# Altium PCB top_INA_v3.PcbDoc (part 1 of 5) (continued)
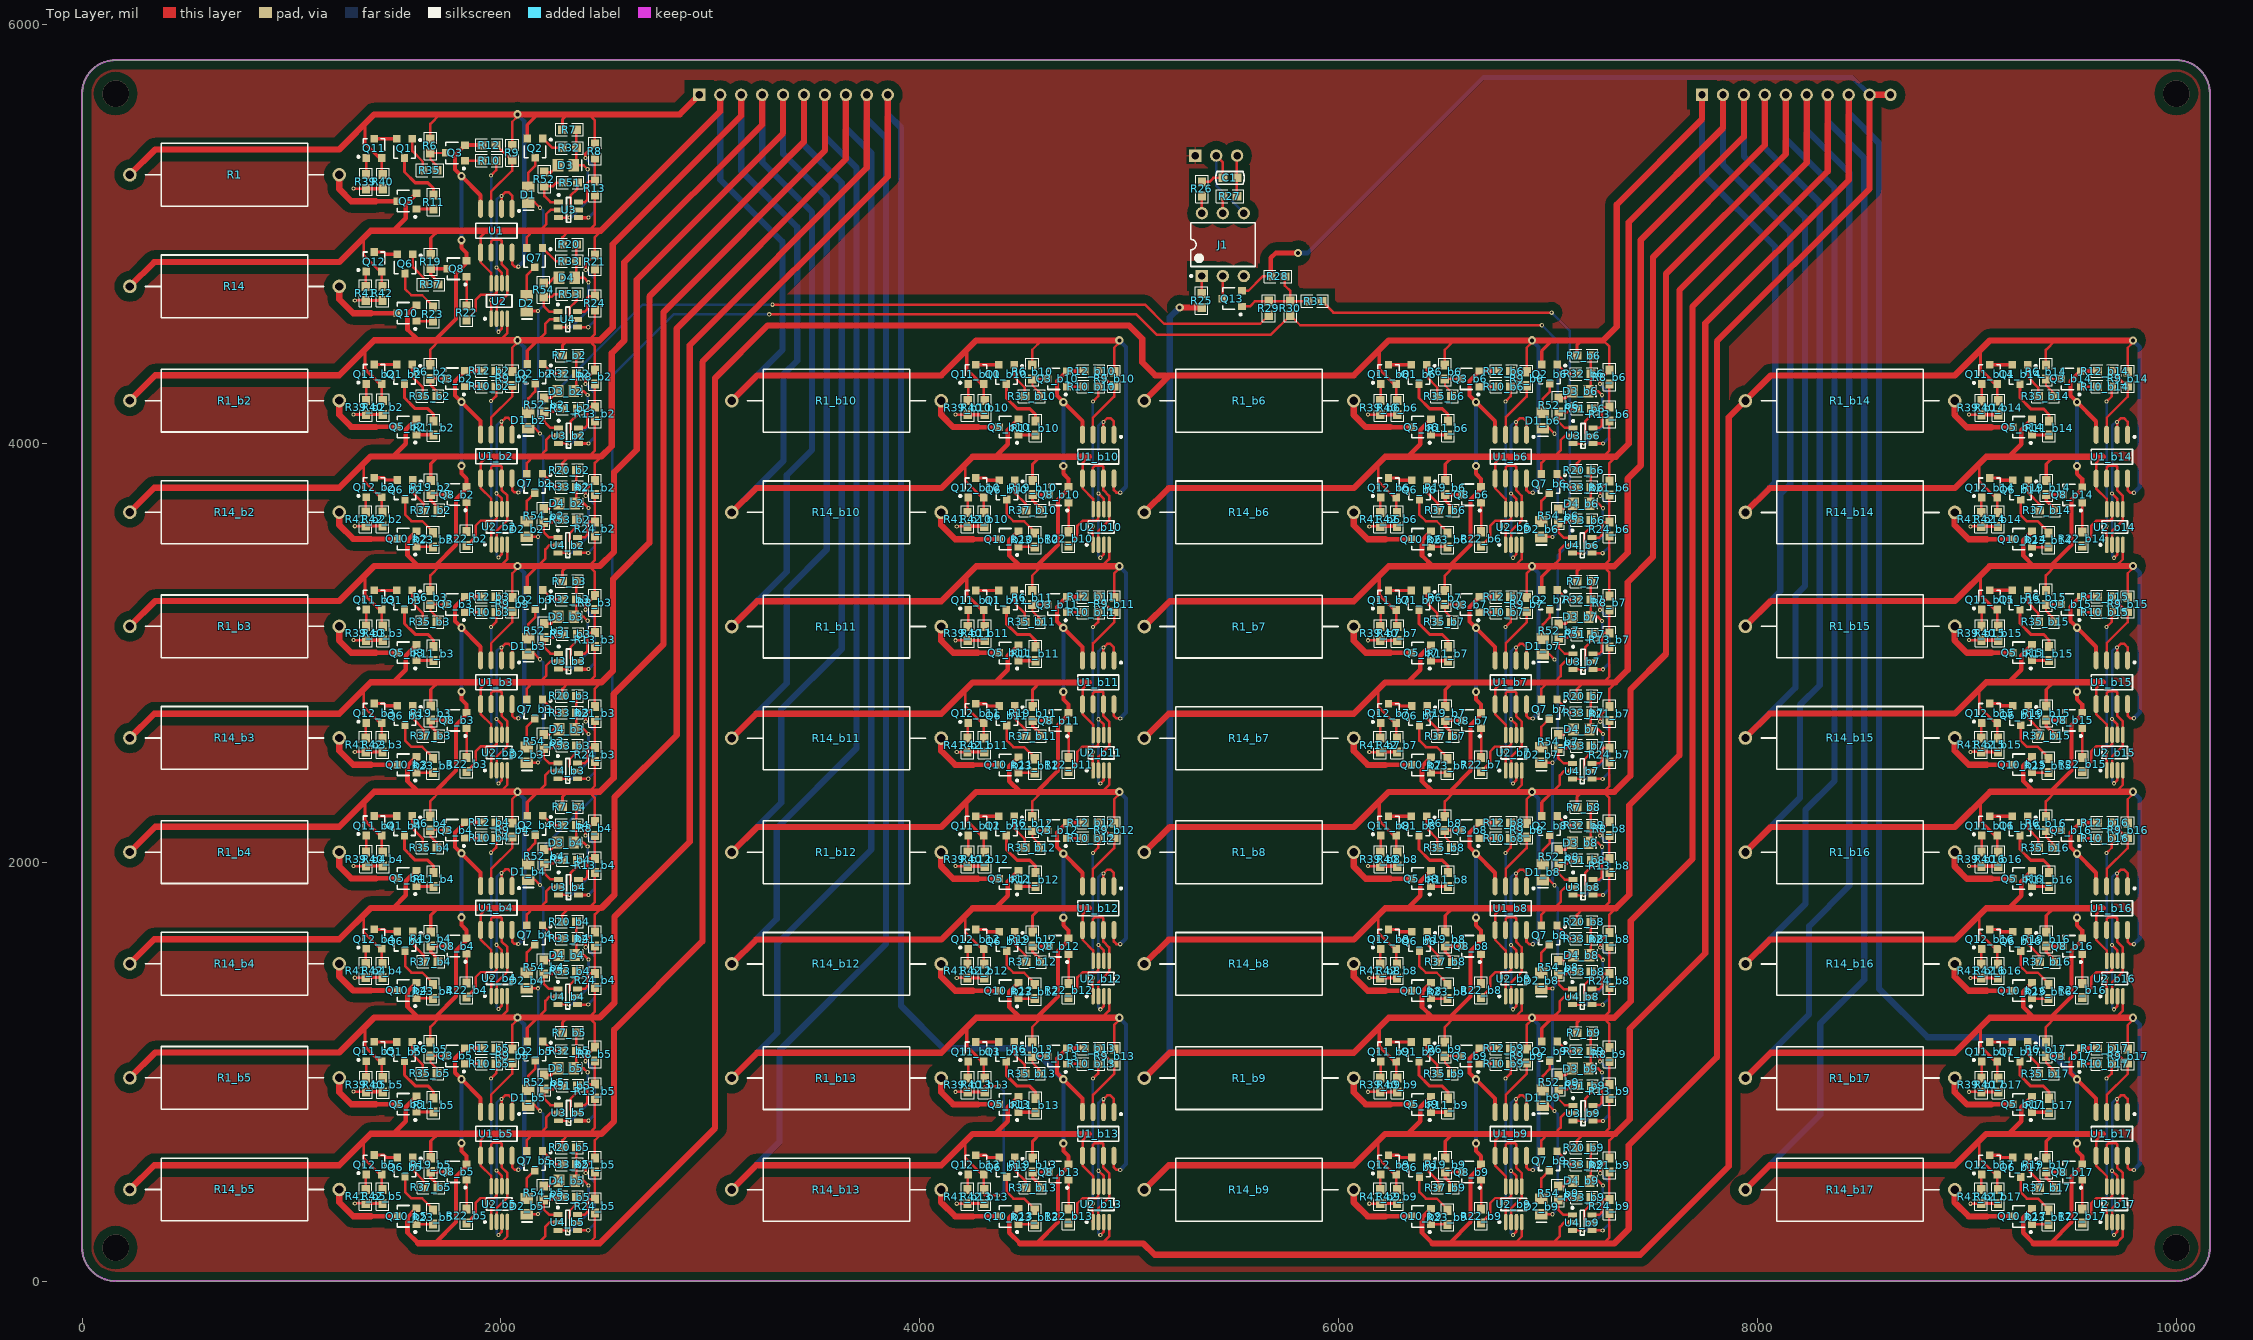
[diagram p0: Top Layer view]
## Components (designator, comment, footprint, x,y, rotation, side; value= is the part's Value field where it differs from the comment) (continued)
Q5_b7 "MOSFET-N" SOT23-3 6394.86,2999.61 r90 top (schematic designator Q5)
Q5_b8 "MOSFET-N" SOT23-3 6394.86,1921.61 r90 top (schematic designator Q5)
Q5_b9 "MOSFET-N" SOT23-3 6394.86,843.61 r90 top (schematic designator Q5)
Q5_b10 "MOSFET-N" SOT23-3 4424.86,4077.61 r90 top (schematic designator Q5)
Q5_b11 "MOSFET-N" SOT23-3 4424.86,2999.61 r90 top (schematic designator Q5)
Q5_b12 "MOSFET-N" SOT23-3 4424.86,1921.61 r90 top (schematic designator Q5)
Q5_b13 "MOSFET-N" SOT23-3 4424.86,843.61 r90 top (schematic designator Q5)
Q5_b14 "MOSFET-N" SOT23-3 9264.86,4077.35 r90 top (schematic designator Q5)
Q5_b15 "MOSFET-N" SOT23-3 9264.86,3000.61 r90 top (schematic designator Q5)
Q5_b16 "MOSFET-N" SOT23-3 9264.86,1921.61 r90 top (schematic designator Q5)
Q5_b17 "MOSFET-N" SOT23-3 9264.86,843.61 r90 top (schematic designator Q5)
Q6 "MMBT3906" SOT23-3 1541.86,4856.61 r180 top
Q6_b2 "MMBT3906" SOT23-3 1541.87,3778.54 r180 top (schematic designator Q6)
Q6_b3 "MMBT3906" SOT23-3 1541.87,2700.54 r180 top (schematic designator Q6)
Q6_b4 "MMBT3906" SOT23-3 1541.87,1622.54 r180 top (schematic designator Q6)
Q6_b5 "MMBT3906" SOT23-3 1541.87,544.54 r180 top (schematic designator Q6)
Q6_b6 "MMBT3906" SOT23-3 6385.86,3777.61 r180 top (schematic designator Q6)
Q6_b7 "MMBT3906" SOT23-3 6385.86,2699.61 r180 top (schematic designator Q6)
Q6_b8 "MMBT3906" SOT23-3 6385.86,1621.61 r180 top (schematic designator Q6)
Q6_b9 "MMBT3906" SOT23-3 6385.86,543.61 r180 top (schematic designator Q6)
Q6_b10 "MMBT3906" SOT23-3 4415.86,3777.61 r180 top (schematic designator Q6)
Q6_b11 "MMBT3906" SOT23-3 4415.86,2699.61 r180 top (schematic designator Q6)
Q6_b12 "MMBT3906" SOT23-3 4415.86,1621.61 r180 top (schematic designator Q6)
Q6_b13 "MMBT3906" SOT23-3 4415.86,543.61 r180 top (schematic designator Q6)
Q6_b14 "MMBT3906" SOT23-3 9255.86,3777.35 r180 top (schematic designator Q6)
Q6_b15 "MMBT3906" SOT23-3 9255.86,2700.61 r180 top (schematic designator Q6)
Q6_b16 "MMBT3906" SOT23-3 9255.86,1621.61 r180 top (schematic designator Q6)
Q6_b17 "MMBT3906" SOT23-3 9255.86,543.61 r180 top (schematic designator Q6)
Q7 "MMBT5400" SOT23-3 2161,4887 r180 top
Q7_b2 "MMBT5400" SOT23-3 2161.01,3808.93 r180 top (schematic designator Q7)
Q7_b3 "MMBT5400" SOT23-3 2161.01,2730.93 r180 top (schematic designator Q7)
Q7_b4 "MMBT5400" SOT23-3 2161.01,1652.93 r180 top (schematic designator Q7)
Q7_b5 "MMBT5400" SOT23-3 2161.01,574.93 r180 top (schematic designator Q7)
Q7_b6 "MMBT5400" SOT23-3 7005,3808 r180 top (schematic designator Q7)
Q7_b7 "MMBT5400" SOT23-3 7005,2730 r180 top (schematic designator Q7)
Q7_b8 "MMBT5400" SOT23-3 7005,1652 r180 top (schematic designator Q7)
Q7_b9 "MMBT5400" SOT23-3 7005,574 r180 top (schematic designator Q7)
Q8 "MMBT3904" SOT23-3 1789.86,4833.61 r90 top
Q8_b2 "MMBT3904" SOT23-3 1789.87,3755.54 r90 top (schematic designator Q8)
Q8_b3 "MMBT3904" SOT23-3 1789.87,2677.54 r90 top (schematic designator Q8)
Q8_b4 "MMBT3904" SOT23-3 1789.87,1599.54 r90 top (schematic designator Q8)
Q8_b5 "MMBT3904" SOT23-3 1789.87,521.54 r90 top (schematic designator Q8)
Q8_b6 "MMBT3904" SOT23-3 6633.86,3754.61 r90 top (schematic designator Q8)
Q8_b7 "MMBT3904" SOT23-3 6633.86,2676.61 r90 top (schematic designator Q8)
Q8_b8 "MMBT3904" SOT23-3 6633.86,1598.61 r90 top (schematic designator Q8)
Q8_b9 "MMBT3904" SOT23-3 6633.86,520.61 r90 top (schematic designator Q8)
Q8_b10 "MMBT3904" SOT23-3 4663.86,3754.61 r90 top (schematic designator Q8)
Q8_b11 "MMBT3904" SOT23-3 4663.86,2676.61 r90 top (schematic designator Q8)
Q8_b12 "MMBT3904" SOT23-3 4663.86,1598.61 r90 top (schematic designator Q8)
Q8_b13 "MMBT3904" SOT23-3 4663.86,520.61 r90 top (schematic designator Q8)
Q8_b14 "MMBT3904" SOT23-3 9503.86,3754.35 r90 top (schematic designator Q8)
Q8_b15 "MMBT3904" SOT23-3 9503.86,2677.61 r90 top (schematic designator Q8)
Q8_b16 "MMBT3904" SOT23-3 9503.86,1598.61 r90 top (schematic designator Q8)
Q8_b17 "MMBT3904" SOT23-3 9503.86,520.61 r90 top (schematic designator Q8)
Q10 "MOSFET-N" SOT23-3 1550.86,4621.61 r90 top
Q10_b2 "MOSFET-N" SOT23-3 1550.87,3543.54 r90 top (schematic designator Q10)
Q10_b3 "MOSFET-N" SOT23-3 1550.87,2465.54 r90 top (schematic designator Q10)
Q10_b4 "MOSFET-N" SOT23-3 1550.87,1387.54 r90 top (schematic designator Q10)
Q10_b5 "MOSFET-N" SOT23-3 1550.87,309.54 r90 top (schematic designator Q10)
Q10_b6 "MOSFET-N" SOT23-3 6394.86,3542.61 r90 top (schematic designator Q10)
Q10_b7 "MOSFET-N" SOT23-3 6394.86,2464.61 r90 top (schematic designator Q10)
Q10_b8 "MOSFET-N" SOT23-3 6394.86,1386.61 r90 top (schematic designator Q10)
Q10_b9 "MOSFET-N" SOT23-3 6394.86,308.61 r90 top (schematic designator Q10)
Q10_b10 "MOSFET-N" SOT23-3 4424.86,3542.61 r90 top (schematic designator Q10)
Q10_b11 "MOSFET-N" SOT23-3 4424.86,2464.61 r90 top (schematic designator Q10)
Q10_b12 "MOSFET-N" SOT23-3 4424.86,1386.61 r90 top (schematic designator Q10)
Q10_b13 "MOSFET-N" SOT23-3 4424.86,308.61 r90 top (schematic designator Q10)
Q10_b14 "MOSFET-N" SOT23-3 9264.86,3542.35 r90 top (schematic designator Q10)
Q10_b15 "MOSFET-N" SOT23-3 9264.86,2465.61 r90 top (schematic designator Q10)
Q10_b16 "MOSFET-N" SOT23-3 9264.86,1386.61 r90 top (schematic designator Q10)
Q10_b17 "MOSFET-N" SOT23-3 9264.86,308.61 r90 top (schematic designator Q10)
Q11 "MMBT3906" SOT23-3 1393.99,5408.33 r0 top
Q11_b2 "MMBT3906" SOT23-3 1394,4330.26 r0 top (schematic designator Q11)
Q11_b3 "MMBT3906" SOT23-3 1394,3252.26 r0 top (schematic designator Q11)
Q11_b4 "MMBT3906" SOT23-3 1394,2174.26 r0 top (schematic designator Q11)
Q11_b5 "MMBT3906" SOT23-3 1394,1096.26 r0 top (schematic designator Q11)
Q11_b6 "MMBT3906" SOT23-3 6237.99,4329.33 r0 top (schematic designator Q11)
Q11_b7 "MMBT3906" SOT23-3 6237.99,3251.33 r0 top (schematic designator Q11)
Q11_b8 "MMBT3906" SOT23-3 6237.99,2173.33 r0 top (schematic designator Q11)
Q11_b9 "MMBT3906" SOT23-3 6237.99,1095.33 r0 top (schematic designator Q11)
Q11_b10 "MMBT3906" SOT23-3 4267.99,4329.33 r0 top (schematic designator Q11)
Q11_b11 "MMBT3906" SOT23-3 4267.99,3251.33 r0 top (schematic designator Q11)
Q11_b12 "MMBT3906" SOT23-3 4267.99,2173.33 r0 top (schematic designator Q11)
Q11_b13 "MMBT3906" SOT23-3 4267.99,1095.33 r0 top (schematic designator Q11)
Q11_b14 "MMBT3906" SOT23-3 9107.99,4329.07 r0 top (schematic designator Q11)
Q11_b15 "MMBT3906" SOT23-3 9107.99,3252.33 r0 top (schematic designator Q11)
Q11_b16 "MMBT3906" SOT23-3 9107.99,2173.33 r0 top (schematic designator Q11)
Q11_b17 "MMBT3906" SOT23-3 9107.99,1095.33 r0 top (schematic designator Q11)
Q12 "MMBT3906" SOT23-3 1393.99,4867.33 r0 top
Q12_b2 "MMBT3906" SOT23-3 1394,3789.26 r0 top (schematic designator Q12)
Q12_b3 "MMBT3906" SOT23-3 1394,2711.26 r0 top (schematic designator Q12)
Q12_b4 "MMBT3906" SOT23-3 1394,1633.26 r0 top (schematic designator Q12)
Q12_b5 "MMBT3906" SOT23-3 1394,555.26 r0 top (schematic designator Q12)
Q12_b6 "MMBT3906" SOT23-3 6237.99,3788.33 r0 top (schematic designator Q12)
Q12_b7 "MMBT3906" SOT23-3 6237.99,2710.33 r0 top (schematic designator Q12)
Q12_b8 "MMBT3906" SOT23-3 6237.99,1632.33 r0 top (schematic designator Q12)
Q12_b9 "MMBT3906" SOT23-3 6237.99,554.33 r0 top (schematic designator Q12)
Q12_b10 "MMBT3906" SOT23-3 4267.99,3788.33 r0 top (schematic designator Q12)
Q12_b11 "MMBT3906" SOT23-3 4267.99,2710.33 r0 top (schematic designator Q12)
Q12_b12 "MMBT3906" SOT23-3 4267.99,1632.33 r0 top (schematic designator Q12)
Q12_b13 "MMBT3906" SOT23-3 4267.99,554.33 r0 top (schematic designator Q12)
Q12_b14 "MMBT3906" SOT23-3 9107.99,3788.07 r0 top (schematic designator Q12)
Q12_b15 "MMBT3906" SOT23-3 9107.99,2711.33 r0 top (schematic designator Q12)
Q12_b16 "MMBT3906" SOT23-3 9107.99,1632.33 r0 top (schematic designator Q12)
Q12_b17 "MMBT3906" SOT23-3 9107.99,554.33 r0 top (schematic designator Q12)
Q13 "NPN" SOT23-3 5491.99,4691.07 r90 top
R1 "Res1" AXIAL-1.0 727.99,5282.33 r180 top
R1_b2 "Res1" AXIAL-1.0 728,4204.26 r180 top (schematic designator R1)
R1_b3 "Res1" AXIAL-1.0 728,3126.26 r180 top (schematic designator R1)
R1_b4 "Res1" AXIAL-1.0 728,2048.26 r180 top (schematic designator R1)
R1_b5 "Res1" AXIAL-1.0 728,970.26 r180 top (schematic designator R1)
R1_b6 "Res1" AXIAL-1.0 5571.99,4203.33 r180 top (schematic designator R1)
R1_b7 "Res1" AXIAL-1.0 5571.99,3125.33 r180 top (schematic designator R1)
R1_b8 "Res1" AXIAL-1.0 5571.99,2047.33 r180 top (schematic designator R1)
R1_b9 "Res1" AXIAL-1.0 5571.99,969.33 r180 top (schematic designator R1)
R1_b10 "Res1" AXIAL-1.0 3601.99,4203.33 r180 top (schematic designator R1)
R1_b11 "Res1" AXIAL-1.0 3601.99,3125.33 r180 top (schematic designator R1)
R1_b12 "Res1" AXIAL-1.0 3601.99,2047.33 r180 top (schematic designator R1)
R1_b13 "Res1" AXIAL-1.0 3601.99,969.33 r180 top (schematic designator R1)
R1_b14 "Res1" AXIAL-1.0 8441.99,4203.07 r180 top (schematic designator R1)
R1_b15 "Res1" AXIAL-1.0 8441.99,3126.33 r180 top (schematic designator R1)
R1_b16 "Res1" AXIAL-1.0 8441.99,2047.33 r180 top (schematic designator R1)
R1_b17 "Res1" AXIAL-1.0 8441.99,969.33 r180 top (schematic designator R1)
R6 "Res1" 0603-1 1662.86,5420.07 r90 top
R6_b2 "Res1" 0603-1 1662.87,4342 r90 top (schematic designator R6)
R6_b3 "Res1" 0603-1 1662.87,3264 r90 top (schematic designator R6)
R6_b4 "Res1" 0603-1 1662.87,2186 r90 top (schematic designator R6)
R6_b5 "Res1" 0603-1 1662.87,1108 r90 top (schematic designator R6)
R6_b6 "Res1" 0603-1 6506.86,4341.07 r90 top (schematic designator R6)
R6_b7 "Res1" 0603-1 6506.86,3263.07 r90 top (schematic designator R6)
R6_b8 "Res1" 0603-1 6506.86,2185.07 r90 top (schematic designator R6)
R6_b9 "Res1" 0603-1 6506.86,1107.07 r90 top (schematic designator R6)
R6_b10 "Res1" 0603-1 4536.86,4341.07 r90 top (schematic designator R6)
R6_b11 "Res1" 0603-1 4536.86,3263.07 r90 top (schematic designator R6)
R6_b12 "Res1" 0603-1 4536.86,2185.07 r90 top (schematic designator R6)
R6_b13 "Res1" 0603-1 4536.86,1107.07 r90 top (schematic designator R6)
R6_b14 "Res1" 0603-1 9376.86,4340.81 r90 top (schematic designator R6)
R6_b15 "Res1" 0603-1 9376.86,3264.07 r90 top (schematic designator R6)
R6_b16 "Res1" 0603-1 9376.86,2185.07 r90 top (schematic designator R6)
R6_b17 "Res1" 0603-1 9376.86,1107.07 r90 top (schematic designator R6)
R7 "Res1" 0603-1 2327,5498 r180 top
R7_b2 "Res1" 0603-1 2327.01,4419.93 r180 top (schematic designator R7)
R7_b3 "Res1" 0603-1 2327.01,3341.93 r180 top (schematic designator R7)
R7_b4 "Res1" 0603-1 2327.01,2263.93 r180 top (schematic designator R7)
R7_b5 "Res1" 0603-1 2327.01,1185.93 r180 top (schematic designator R7)
R7_b6 "Res1" 0603-1 7171,4419 r180 top (schematic designator R7)
R7_b7 "Res1" 0603-1 7171,3341 r180 top (schematic designator R7)
R7_b8 "Res1" 0603-1 7171,2263 r180 top (schematic designator R7)
R7_b9 "Res1" 0603-1 7171,1185 r180 top (schematic designator R7)
R8 "Res1" 0603-1 2448.86,5395.61 r90 top
R8_b2 "Res1" 0603-1 2448.87,4317.54 r90 top (schematic designator R8)
R8_b3 "Res1" 0603-1 2448.87,3239.54 r90 top (schematic designator R8)
R8_b4 "Res1" 0603-1 2448.87,2161.54 r90 top (schematic designator R8)
R8_b5 "Res1" 0603-1 2448.87,1083.54 r90 top (schematic designator R8)
R8_b6 "Res1" 0603-1 7292.86,4316.61 r90 top (schematic designator R8)
R8_b7 "Res1" 0603-1 7292.86,3238.61 r90 top (schematic designator R8)
R8_b8 "Res1" 0603-1 7292.86,2160.61 r90 top (schematic designator R8)
R8_b9 "Res1" 0603-1 7292.86,1082.61 r90 top (schematic designator R8)
R9 "Res1" 0603-1 2053.86,5387.61 r90 top
R9_b2 "Res1" 0603-1 2053.87,4309.54 r90 top (schematic designator R9)
R9_b3 "Res1" 0603-1 2053.87,3231.54 r90 top (schematic designator R9)
R9_b4 "Res1" 0603-1 2053.87,2153.54 r90 top (schematic designator R9)
R9_b5 "Res1" 0603-1 2053.87,1075.54 r90 top (schematic designator R9)
R9_b6 "Res1" 0603-1 6897.86,4308.61 r90 top (schematic designator R9)
R9_b7 "Res1" 0603-1 6897.86,3230.61 r90 top (schematic designator R9)
R9_b8 "Res1" 0603-1 6897.86,2152.61 r90 top (schematic designator R9)
R9_b9 "Res1" 0603-1 6897.86,1074.61 r90 top (schematic designator R9)
R9_b10 "Res1" 0603-1 4927.86,4308.61 r90 top (schematic designator R9)
R9_b11 "Res1" 0603-1 4927.86,3230.61 r90 top (schematic designator R9)
R9_b12 "Res1" 0603-1 4927.86,2152.61 r90 top (schematic designator R9)
R9_b13 "Res1" 0603-1 4927.86,1074.61 r90 top (schematic designator R9)
R9_b14 "Res1" 0603-1 9767.86,4308.35 r90 top (schematic designator R9)
R9_b15 "Res1" 0603-1 9767.86,3231.61 r90 top (schematic designator R9)
R9_b16 "Res1" 0603-1 9767.86,2152.61 r90 top (schematic designator R9)
R9_b17 "Res1" 0603-1 9767.86,1074.61 r90 top (schematic designator R9)
R10 "Res1" 0603-1 1943.72,5350.01 r0 top
R10_b2 "Res1" 0603-1 1943.73,4271.94 r0 top (schematic designator R10)
R10_b3 "Res1" 0603-1 1943.73,3193.94 r0 top (schematic designator R10)
R10_b4 "Res1" 0603-1 1943.73,2115.94 r0 top (schematic designator R10)
R10_b5 "Res1" 0603-1 1943.73,1037.94 r0 top (schematic designator R10)
R10_b6 "Res1" 0603-1 6787.72,4271.01 r0 top (schematic designator R10)
R10_b7 "Res1" 0603-1 6787.72,3193.01 r0 top (schematic designator R10)
R10_b8 "Res1" 0603-1 6787.72,2115.01 r0 top (schematic designator R10)
R10_b9 "Res1" 0603-1 6787.72,1037.01 r0 top (schematic designator R10)
R10_b10 "Res1" 0603-1 4817.72,4271.01 r0 top (schematic designator R10)
R10_b11 "Res1" 0603-1 4817.72,3193.01 r0 top (schematic designator R10)
R10_b12 "Res1" 0603-1 4817.72,2115.01 r0 top (schematic designator R10)
R10_b13 "Res1" 0603-1 4817.72,1037.01 r0 top (schematic designator R10)
R10_b14 "Res1" 0603-1 9657.72,4270.75 r0 top (schematic designator R10)
R10_b15 "Res1" 0603-1 9657.72,3194.01 r0 top (schematic designator R10)
R10_b16 "Res1" 0603-1 9657.72,2115.01 r0 top (schematic designator R10)
R10_b17 "Res1" 0603-1 9657.72,1037.01 r0 top (schematic designator R10)
R11 "Res1" 0603-1 1677.99,5152.33 r90 top
R11_b2 "Res1" 0603-1 1678,4074.26 r90 top (schematic designator R11)
R11_b3 "Res1" 0603-1 1678,2996.26 r90 top (schematic designator R11)
R11_b4 "Res1" 0603-1 1678,1918.26 r90 top (schematic designator R11)
R11_b5 "Res1" 0603-1 1678,840.26 r90 top (schematic designator R11)
R11_b6 "Res1" 0603-1 6521.99,4073.33 r90 top (schematic designator R11)
R11_b7 "Res1" 0603-1 6521.99,2995.33 r90 top (schematic designator R11)
R11_b8 "Res1" 0603-1 6521.99,1917.33 r90 top (schematic designator R11)
R11_b9 "Res1" 0603-1 6521.99,839.33 r90 top (schematic designator R11)
R11_b10 "Res1" 0603-1 4551.99,4073.33 r90 top (schematic designator R11)
R11_b11 "Res1" 0603-1 4551.99,2995.33 r90 top (schematic designator R11)
R11_b12 "Res1" 0603-1 4551.99,1917.33 r90 top (schematic designator R11)
R11_b13 "Res1" 0603-1 4551.99,839.33 r90 top (schematic designator R11)
R11_b14 "Res1" 0603-1 9391.99,4073.07 r90 top (schematic designator R11)
R11_b15 "Res1" 0603-1 9391.99,2996.33 r90 top (schematic designator R11)
R11_b16 "Res1" 0603-1 9391.99,1917.33 r90 top (schematic designator R11)
R11_b17 "Res1" 0603-1 9391.99,839.33 r90 top (schematic designator R11)
R12 "Res1" 0603-1 1943.72,5424.01 r0 top
R12_b2 "Res1" 0603-1 1943.73,4345.94 r0 top (schematic designator R12)
R12_b3 "Res1" 0603-1 1943.73,3267.94 r0 top (schematic designator R12)
R12_b4 "Res1" 0603-1 1943.73,2189.94 r0 top (schematic designator R12)
R12_b5 "Res1" 0603-1 1943.73,1111.94 r0 top (schematic designator R12)
R12_b6 "Res1" 0603-1 6787.72,4345.01 r0 top (schematic designator R12)
R12_b7 "Res1" 0603-1 6787.72,3267.01 r0 top (schematic designator R12)
R12_b8 "Res1" 0603-1 6787.72,2189.01 r0 top (schematic designator R12)
R12_b9 "Res1" 0603-1 6787.72,1111.01 r0 top (schematic designator R12)
R12_b10 "Res1" 0603-1 4817.72,4345.01 r0 top (schematic designator R12)
R12_b11 "Res1" 0603-1 4817.72,3267.01 r0 top (schematic designator R12)
R12_b12 "Res1" 0603-1 4817.72,2189.01 r0 top (schematic designator R12)
R12_b13 "Res1" 0603-1 4817.72,1111.01 r0 top (schematic designator R12)
R12_b14 "Res1" 0603-1 9657.72,4344.75 r0 top (schematic designator R12)
R12_b15 "Res1" 0603-1 9657.72,3268.01 r0 top (schematic designator R12)
R12_b16 "Res1" 0603-1 9657.72,2189.01 r0 top (schematic designator R12)
R12_b17 "Res1" 0603-1 9657.72,1111.01 r0 top (schematic designator R12)
R13 "Res1" 0603-1 2448.86,5218.61 r90 top
R13_b2 "Res1" 0603-1 2448.87,4140.54 r90 top (schematic designator R13)
R13_b3 "Res1" 0603-1 2448.87,3062.54 r90 top (schematic designator R13)
R13_b4 "Res1" 0603-1 2448.87,1984.54 r90 top (schematic designator R13)
R13_b5 "Res1" 0603-1 2448.87,906.54 r90 top (schematic designator R13)
R13_b6 "Res1" 0603-1 7292.86,4139.61 r90 top (schematic designator R13)
R13_b7 "Res1" 0603-1 7292.86,3061.61 r90 top (schematic designator R13)
R13_b8 "Res1" 0603-1 7292.86,1983.61 r90 top (schematic designator R13)
R13_b9 "Res1" 0603-1 7292.86,905.61 r90 top (schematic designator R13)
R14 "Res1" AXIAL-1.0 727.99,4749.33 r180 top
R14_b2 "Res1" AXIAL-1.0 728,3671.26 r180 top (schematic designator R14)
R14_b3 "Res1" AXIAL-1.0 728,2593.26 r180 top (schematic designator R14)
R14_b4 "Res1" AXIAL-1.0 728,1515.26 r180 top (schematic designator R14)
R14_b5 "Res1" AXIAL-1.0 728,437.26 r180 top (schematic designator R14)
R14_b6 "Res1" AXIAL-1.0 5571.99,3670.33 r180 top (schematic designator R14)
R14_b7 "Res1" AXIAL-1.0 5571.99,2592.33 r180 top (schematic designator R14)
R14_b8 "Res1" AXIAL-1.0 5571.99,1514.33 r180 top (schematic designator R14)
R14_b9 "Res1" AXIAL-1.0 5571.99,436.33 r180 top (schematic designator R14)
R14_b10 "Res1" AXIAL-1.0 3601.99,3670.33 r180 top (schematic designator R14)
R14_b11 "Res1" AXIAL-1.0 3601.99,2592.33 r180 top (schematic designator R14)
R14_b12 "Res1" AXIAL-1.0 3601.99,1514.33 r180 top (schematic designator R14)
R14_b13 "Res1" AXIAL-1.0 3601.99,436.33 r180 top (schematic designator R14)
R14_b14 "Res1" AXIAL-1.0 8441.99,3670.07 r180 top (schematic designator R14)
R14_b15 "Res1" AXIAL-1.0 8441.99,2593.33 r180 top (schematic designator R14)
R14_b16 "Res1" AXIAL-1.0 8441.99,1514.33 r180 top (schematic designator R14)
R14_b17 "Res1" AXIAL-1.0 8441.99,436.33 r180 top (schematic designator R14)
R19 "Res1" 0603-1 1664.86,4867.61 r90 top
R19_b2 "Res1" 0603-1 1664.87,3789.54 r90 top (schematic designator R19)
R19_b3 "Res1" 0603-1 1664.87,2711.54 r90 top (schematic designator R19)
R19_b4 "Res1" 0603-1 1664.87,1633.54 r90 top (schematic designator R19)
R19_b5 "Res1" 0603-1 1664.87,555.54 r90 top (schematic designator R19)
R19_b6 "Res1" 0603-1 6508.86,3788.61 r90 top (schematic designator R19)
R19_b7 "Res1" 0603-1 6508.86,2710.61 r90 top (schematic designator R19)
R19_b8 "Res1" 0603-1 6508.86,1632.61 r90 top (schematic designator R19)
R19_b9 "Res1" 0603-1 6508.86,554.61 r90 top (schematic designator R19)
R19_b10 "Res1" 0603-1 4538.86,3788.61 r90 top (schematic designator R19)
R19_b11 "Res1" 0603-1 4538.86,2710.61 r90 top (schematic designator R19)
R19_b12 "Res1" 0603-1 4538.86,1632.61 r90 top (schematic designator R19)
R19_b13 "Res1" 0603-1 4538.86,554.61 r90 top (schematic designator R19)
R19_b14 "Res1" 0603-1 9378.86,3788.35 r90 top (schematic designator R19)
R19_b15 "Res1" 0603-1 9378.86,2711.61 r90 top (schematic designator R19)
R19_b16 "Res1" 0603-1 9378.86,1632.61 r90 top (schematic designator R19)
R19_b17 "Res1" 0603-1 9378.86,554.61 r90 top (schematic designator R19)
R20 "Res1" 0603-1 2327,4950 r180 top
R20_b2 "Res1" 0603-1 2327.01,3871.93 r180 top (schematic designator R20)
R20_b3 "Res1" 0603-1 2327.01,2793.93 r180 top (schematic designator R20)
R20_b4 "Res1" 0603-1 2327.01,1715.93 r180 top (schematic designator R20)
R20_b5 "Res1" 0603-1 2327.01,637.93 r180 top (schematic designator R20)
R20_b6 "Res1" 0603-1 7171,3871 r180 top (schematic designator R20)
R20_b7 "Res1" 0603-1 7171,2793 r180 top (schematic designator R20)
R20_b8 "Res1" 0603-1 7171,1715 r180 top (schematic designator R20)
R20_b9 "Res1" 0603-1 7171,637 r180 top (schematic designator R20)
R21 "Res1" 0603-1 2448.86,4866.61 r90 top
R21_b2 "Res1" 0603-1 2448.87,3788.54 r90 top (schematic designator R21)
R21_b3 "Res1" 0603-1 2448.87,2710.54 r90 top (schematic designator R21)
R21_b4 "Res1" 0603-1 2448.87,1632.54 r90 top (schematic designator R21)
R21_b5 "Res1" 0603-1 2448.87,554.54 r90 top (schematic designator R21)
R21_b6 "Res1" 0603-1 7292.86,3787.61 r90 top (schematic designator R21)
R21_b7 "Res1" 0603-1 7292.86,2709.61 r90 top (schematic designator R21)
R21_b8 "Res1" 0603-1 7292.86,1631.61 r90 top (schematic designator R21)
R21_b9 "Res1" 0603-1 7292.86,553.61 r90 top (schematic designator R21)
R22 "Res1" 0603-1 1835.99,4623.33 r90 top
R22_b2 "Res1" 0603-1 1836,3545.26 r90 top (schematic designator R22)
R22_b3 "Res1" 0603-1 1836,2467.26 r90 top (schematic designator R22)
R22_b4 "Res1" 0603-1 1836,1389.26 r90 top (schematic designator R22)
R22_b5 "Res1" 0603-1 1836,311.26 r90 top (schematic designator R22)
R22_b6 "Res1" 0603-1 6679.99,3544.33 r90 top (schematic designator R22)
R22_b7 "Res1" 0603-1 6679.99,2466.33 r90 top (schematic designator R22)
R22_b8 "Res1" 0603-1 6679.99,1388.33 r90 top (schematic designator R22)
R22_b9 "Res1" 0603-1 6679.99,310.33 r90 top (schematic designator R22)
R22_b10 "Res1" 0603-1 4709.99,3544.33 r90 top (schematic designator R22)
R22_b11 "Res1" 0603-1 4709.99,2466.33 r90 top (schematic designator R22)
R22_b12 "Res1" 0603-1 4709.99,1388.33 r90 top (schematic designator R22)
R22_b13 "Res1" 0603-1 4709.99,310.33 r90 top (schematic designator R22)
R22_b14 "Res1" 0603-1 9549.99,3544.07 r90 top (schematic designator R22)
R22_b15 "Res1" 0603-1 9549.99,2467.33 r90 top (schematic designator R22)
R22_b16 "Res1" 0603-1 9549.99,1388.33 r90 top (schematic designator R22)
R22_b17 "Res1" 0603-1 9549.99,310.33 r90 top (schematic designator R22)
R23 "Res1" 0603-1 1675.24,4617.61 r90 top
R23_b2 "Res1" 0603-1 1675.25,3539.54 r90 top (schematic designator R23)
R23_b3 "Res1" 0603-1 1675.25,2461.54 r90 top (schematic designator R23)
R23_b4 "Res1" 0603-1 1675.25,1383.54 r90 top (schematic designator R23)
R23_b5 "Res1" 0603-1 1675.25,305.54 r90 top (schematic designator R23)
R23_b6 "Res1" 0603-1 6519.24,3538.61 r90 top (schematic designator R23)
R23_b7 "Res1" 0603-1 6519.24,2460.61 r90 top (schematic designator R23)
R23_b8 "Res1" 0603-1 6519.24,1382.61 r90 top (schematic designator R23)
R23_b9 "Res1" 0603-1 6519.24,304.61 r90 top (schematic designator R23)
R23_b10 "Res1" 0603-1 4549.24,3538.61 r90 top (schematic designator R23)
R23_b11 "Res1" 0603-1 4549.24,2460.61 r90 top (schematic designator R23)
R23_b12 "Res1" 0603-1 4549.24,1382.61 r90 top (schematic designator R23)
R23_b13 "Res1" 0603-1 4549.24,304.61 r90 top (schematic designator R23)
R23_b14 "Res1" 0603-1 9389.24,3538.35 r90 top (schematic designator R23)
R23_b15 "Res1" 0603-1 9389.24,2461.61 r90 top (schematic designator R23)
R23_b16 "Res1" 0603-1 9389.24,1382.61 r90 top (schematic designator R23)
R23_b17 "Res1" 0603-1 9389.24,304.61 r90 top (schematic designator R23)
R24 "Res1" 0603-1 2448.86,4669.61 r90 top
R24_b2 "Res1" 0603-1 2448.87,3591.54 r90 top (schematic designator R24)
R24_b3 "Res1" 0603-1 2448.87,2513.54 r90 top (schematic designator R24)
R24_b4 "Res1" 0603-1 2448.87,1435.54 r90 top (schematic designator R24)
R24_b5 "Res1" 0603-1 2448.87,357.54 r90 top (schematic designator R24)
R24_b6 "Res1" 0603-1 7292.86,3590.61 r90 top (schematic designator R24)
R24_b7 "Res1" 0603-1 7292.86,2512.61 r90 top (schematic designator R24)
R24_b8 "Res1" 0603-1 7292.86,1434.61 r90 top (schematic designator R24)
R24_b9 "Res1" 0603-1 7292.86,356.61 r90 top (schematic designator R24)
R25 "Res1" 0603-1 5345.99,4682.07 r90 top
R26 "Res1" 0603-1 5347,5215 r90 top
R27 "Res1" 0603-1 5481,5180 r0 top
R28 "Res1" 0603-1 5709.99,4797.07 r0 top
R29 "Res1" 0603-1 5665.99,4645.07 r90 top
R30 "Res1" 0603-1 5768.99,4645.07 r90 top
R31 "Res1" 0603-1 5886,4679 r180 top
R32 "Res1" 0603-1 2327,5411 r180 top
R32_b2 "Res1" 0603-1 2327.01,4332.93 r180 top (schematic designator R32)
R32_b3 "Res1" 0603-1 2327.01,3254.93 r180 top (schematic designator R32)
R32_b4 "Res1" 0603-1 2327.01,2176.93 r180 top (schematic designator R32)
R32_b5 "Res1" 0603-1 2327.01,1098.93 r180 top (schematic designator R32)
R32_b6 "Res1" 0603-1 7171,4332 r180 top (schematic designator R32)
R32_b7 "Res1" 0603-1 7171,3254 r180 top (schematic designator R32)
R32_b8 "Res1" 0603-1 7171,2176 r180 top (schematic designator R32)
R32_b9 "Res1" 0603-1 7171,1098 r180 top (schematic designator R32)
R33 "Res1" 0603-1 2327,4870 r180 top
R33_b2 "Res1" 0603-1 2327.01,3791.93 r180 top (schematic designator R33)
R33_b3 "Res1" 0603-1 2327.01,2713.93 r180 top (schematic designator R33)
R33_b4 "Res1" 0603-1 2327.01,1635.93 r180 top (schematic designator R33)
R33_b5 "Res1" 0603-1 2327.01,557.93 r180 top (schematic designator R33)
R33_b6 "Res1" 0603-1 7171,3791 r180 top (schematic designator R33)
R33_b7 "Res1" 0603-1 7171,2713 r180 top (schematic designator R33)
R33_b8 "Res1" 0603-1 7171,1635 r180 top (schematic designator R33)
R33_b9 "Res1" 0603-1 7171,557 r180 top (schematic designator R33)
R35 "Res1" 0603-1 1660.86,5304.07 r180 top
R35_b2 "Res1" 0603-1 1660.87,4226 r180 top (schematic designator R35)
R35_b3 "Res1" 0603-1 1660.87,3148 r180 top (schematic designator R35)
R35_b4 "Res1" 0603-1 1660.87,2070 r180 top (schematic designator R35)
R35_b5 "Res1" 0603-1 1660.87,992 r180 top (schematic designator R35)
R35_b6 "Res1" 0603-1 6504.86,4225.07 r180 top (schematic designator R35)
R35_b7 "Res1" 0603-1 6504.86,3147.07 r180 top (schematic designator R35)
R35_b8 "Res1" 0603-1 6504.86,2069.07 r180 top (schematic designator R35)
R35_b9 "Res1" 0603-1 6504.86,991.07 r180 top (schematic designator R35)
R35_b10 "Res1" 0603-1 4534.86,4225.07 r180 top (schematic designator R35)
R35_b11 "Res1" 0603-1 4534.86,3147.07 r180 top (schematic designator R35)
R35_b12 "Res1" 0603-1 4534.86,2069.07 r180 top (schematic designator R35)
R35_b13 "Res1" 0603-1 4534.86,991.07 r180 top (schematic designator R35)
R35_b14 "Res1" 0603-1 9374.86,4224.81 r180 top (schematic designator R35)
R35_b15 "Res1" 0603-1 9374.86,3148.07 r180 top (schematic designator R35)
R35_b16 "Res1" 0603-1 9374.86,2069.07 r180 top (schematic designator R35)
R35_b17 "Res1" 0603-1 9374.86,991.07 r180 top (schematic designator R35)
R37 "Res1" 0603-1 1665.86,4759.07 r180 top
R37_b2 "Res1" 0603-1 1665.87,3681 r180 top (schematic designator R37)
R37_b3 "Res1" 0603-1 1665.87,2603 r180 top (schematic designator R37)
R37_b4 "Res1" 0603-1 1665.87,1525 r180 top (schematic designator R37)
R37_b5 "Res1" 0603-1 1665.87,447 r180 top (schematic designator R37)
R37_b6 "Res1" 0603-1 6509.86,3680.07 r180 top (schematic designator R37)
R37_b7 "Res1" 0603-1 6509.86,2602.07 r180 top (schematic designator R37)
R37_b8 "Res1" 0603-1 6509.86,1524.07 r180 top (schematic designator R37)
R37_b9 "Res1" 0603-1 6509.86,446.07 r180 top (schematic designator R37)
R37_b10 "Res1" 0603-1 4539.86,3680.07 r180 top (schematic designator R37)
R37_b11 "Res1" 0603-1 4539.86,2602.07 r180 top (schematic designator R37)
R37_b12 "Res1" 0603-1 4539.86,1524.07 r180 top (schematic designator R37)
R37_b13 "Res1" 0603-1 4539.86,446.07 r180 top (schematic designator R37)
R37_b14 "Res1" 0603-1 9379.86,3679.81 r180 top (schematic designator R37)
R37_b15 "Res1" 0603-1 9379.86,2603.07 r180 top (schematic designator R37)
R37_b16 "Res1" 0603-1 9379.86,1524.07 r180 top (schematic designator R37)
R37_b17 "Res1" 0603-1 9379.86,446.07 r180 top (schematic designator R37)
R39 "Res1" 0603-1 1354.99,5249.33 r90 top
R39_b2 "Res1" 0603-1 1355,4171.26 r90 top (schematic designator R39)
R39_b3 "Res1" 0603-1 1355,3093.26 r90 top (schematic designator R39)
R39_b4 "Res1" 0603-1 1355,2015.26 r90 top (schematic designator R39)
R39_b5 "Res1" 0603-1 1355,937.26 r90 top (schematic designator R39)
R39_b6 "Res1" 0603-1 6198.99,4170.33 r90 top (schematic designator R39)
R39_b7 "Res1" 0603-1 6198.99,3092.33 r90 top (schematic designator R39)
R39_b8 "Res1" 0603-1 6198.99,2014.33 r90 top (schematic designator R39)
R39_b9 "Res1" 0603-1 6198.99,936.33 r90 top (schematic designator R39)
R39_b10 "Res1" 0603-1 4228.99,4170.33 r90 top (schematic designator R39)
R39_b11 "Res1" 0603-1 4228.99,3092.33 r90 top (schematic designator R39)
R39_b12 "Res1" 0603-1 4228.99,2014.33 r90 top (schematic designator R39)
R39_b13 "Res1" 0603-1 4228.99,936.33 r90 top (schematic designator R39)
R39_b14 "Res1" 0603-1 9068.99,4170.07 r90 top (schematic designator R39)
R39_b15 "Res1" 0603-1 9068.99,3093.33 r90 top (schematic designator R39)
R39_b16 "Res1" 0603-1 9068.99,2014.33 r90 top (schematic designator R39)
R39_b17 "Res1" 0603-1 9068.99,936.33 r90 top (schematic designator R39)
R40 "Res1" 0603-1 1435.99,5249.33 r270 top
R40_b2 "Res1" 0603-1 1436,4171.26 r270 top (schematic designator R40)
R40_b3 "Res1" 0603-1 1436,3093.26 r270 top (schematic designator R40)
R40_b4 "Res1" 0603-1 1436,2015.26 r270 top (schematic designator R40)
R40_b5 "Res1" 0603-1 1436,937.26 r270 top (schematic designator R40)
R40_b6 "Res1" 0603-1 6279.99,4170.33 r270 top (schematic designator R40)
R40_b7 "Res1" 0603-1 6279.99,3092.33 r270 top (schematic designator R40)
R40_b8 "Res1" 0603-1 6279.99,2014.33 r270 top (schematic designator R40)
R40_b9 "Res1" 0603-1 6279.99,936.33 r270 top (schematic designator R40)
R40_b10 "Res1" 0603-1 4309.99,4170.33 r270 top (schematic designator R40)
R40_b11 "Res1" 0603-1 4309.99,3092.33 r270 top (schematic designator R40)
R40_b12 "Res1" 0603-1 4309.99,2014.33 r270 top (schematic designator R40)
R40_b13 "Res1" 0603-1 4309.99,936.33 r270 top (schematic designator R40)
R40_b14 "Res1" 0603-1 9149.99,4170.07 r270 top (schematic designator R40)
R40_b15 "Res1" 0603-1 9149.99,3093.33 r270 top (schematic designator R40)
R40_b16 "Res1" 0603-1 9149.99,2014.33 r270 top (schematic designator R40)
R40_b17 "Res1" 0603-1 9149.99,936.33 r270 top (schematic designator R40)
R41 "Res1" 0603-1 1353.99,4716.33 r270 top
R41_b2 "Res1" 0603-1 1354,3638.26 r270 top (schematic designator R41)
R41_b3 "Res1" 0603-1 1354,2560.26 r270 top (schematic designator R41)
R41_b4 "Res1" 0603-1 1354,1482.26 r270 top (schematic designator R41)
R41_b5 "Res1" 0603-1 1354,404.26 r270 top (schematic designator R41)
R41_b6 "Res1" 0603-1 6197.99,3637.33 r270 top (schematic designator R41)
R41_b7 "Res1" 0603-1 6197.99,2559.33 r270 top (schematic designator R41)
R41_b8 "Res1" 0603-1 6197.99,1481.33 r270 top (schematic designator R41)
R41_b9 "Res1" 0603-1 6197.99,403.33 r270 top (schematic designator R41)
R41_b10 "Res1" 0603-1 4227.99,3637.33 r270 top (schematic designator R41)
R41_b11 "Res1" 0603-1 4227.99,2559.33 r270 top (schematic designator R41)
R41_b12 "Res1" 0603-1 4227.99,1481.33 r270 top (schematic designator R41)
R41_b13 "Res1" 0603-1 4227.99,403.33 r270 top (schematic designator R41)
R41_b14 "Res1" 0603-1 9067.99,3637.07 r270 top (schematic designator R41)
R41_b15 "Res1" 0603-1 9067.99,2560.33 r270 top (schematic designator R41)
R41_b16 "Res1" 0603-1 9067.99,1481.33 r270 top (schematic designator R41)
R41_b17 "Res1" 0603-1 9067.99,403.33 r270 top (schematic designator R41)
R42 "Res1" 0603-1 1433.99,4716.33 r270 top
R42_b2 "Res1" 0603-1 1434,3638.26 r270 top (schematic designator R42)
R42_b3 "Res1" 0603-1 1434,2560.26 r270 top (schematic designator R42)
R42_b4 "Res1" 0603-1 1434,1482.26 r270 top (schematic designator R42)
R42_b5 "Res1" 0603-1 1434,404.26 r270 top (schematic designator R42)
R42_b6 "Res1" 0603-1 6277.99,3637.33 r270 top (schematic designator R42)
R42_b7 "Res1" 0603-1 6277.99,2559.33 r270 top (schematic designator R42)
R42_b8 "Res1" 0603-1 6277.99,1481.33 r270 top (schematic designator R42)
R42_b9 "Res1" 0603-1 6277.99,403.33 r270 top (schematic designator R42)
R42_b10 "Res1" 0603-1 4307.99,3637.33 r270 top (schematic designator R42)
R42_b11 "Res1" 0603-1 4307.99,2559.33 r270 top (schematic designator R42)
R42_b12 "Res1" 0603-1 4307.99,1481.33 r270 top (schematic designator R42)
R42_b13 "Res1" 0603-1 4307.99,403.33 r270 top (schematic designator R42)
R42_b14 "Res1" 0603-1 9147.99,3637.07 r270 top (schematic designator R42)
R42_b15 "Res1" 0603-1 9147.99,2560.33 r270 top (schematic designator R42)
R42_b16 "Res1" 0603-1 9147.99,1481.33 r270 top (schematic designator R42)
R42_b17 "Res1" 0603-1 9147.99,403.33 r270 top (schematic designator R42)
R51 "Res1" 0603-1 2331,5245 r180 top
R51_b2 "Res1" 0603-1 2331.01,4166.93 r180 top (schematic designator R51)
R51_b3 "Res1" 0603-1 2331.01,3088.93 r180 top (schematic designator R51)
R51_b4 "Res1" 0603-1 2331.01,2010.93 r180 top (schematic designator R51)